# Altium PCB CtrlCarbinBoard.PcbDoc
Units mm, origin at the board's own origin, x right, y up, seen from the top; angles counter-clockwise.
Board outline 177.8 x 78.74 mm, 2 copper layers (Top Layer, Bottom Layer); 91 components, 123 nets, 518 pads, 0 vias.
Unrouted connection lines stored in the file: 258.
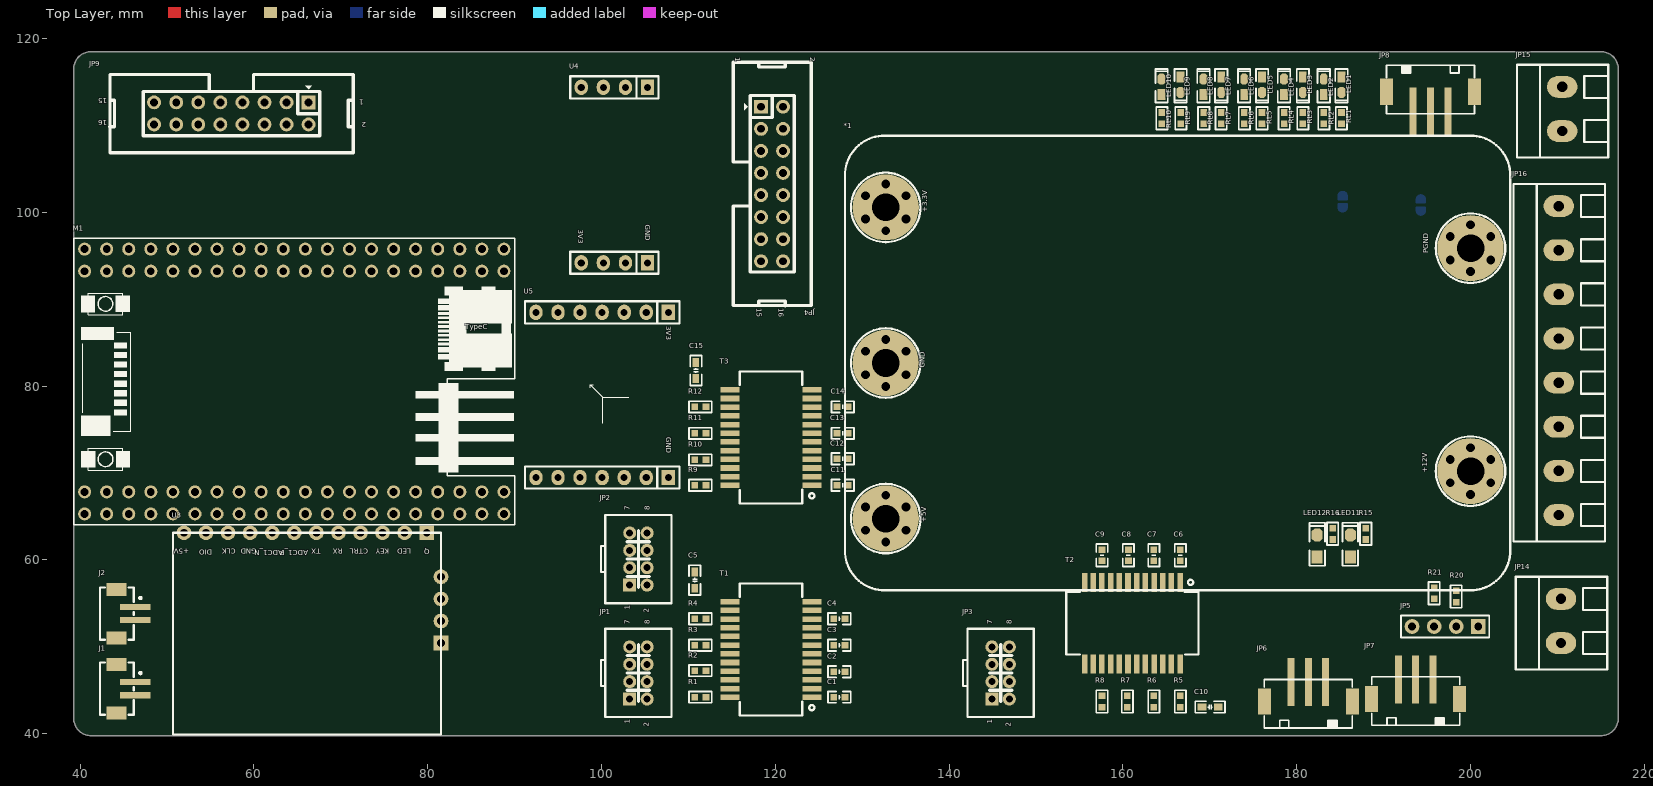
[diagram p0: Top Layer view]
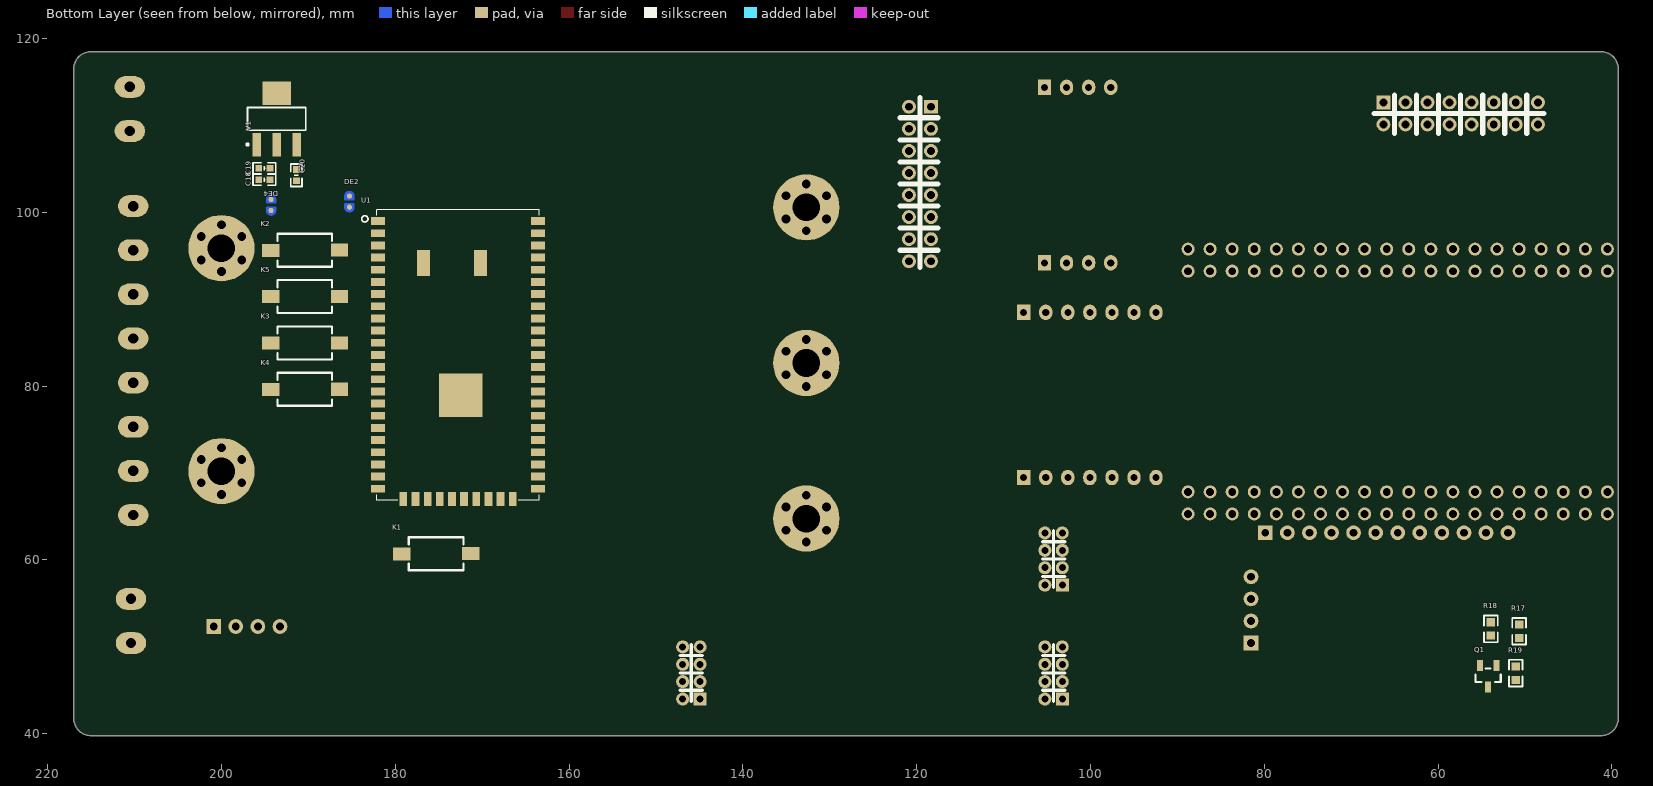
[diagram p1: Bottom Layer view, seen from below]

## Layer stack, top to bottom
Top Solder: solder mask 0.0102, Solder Resist, Dk 3.5
Top Layer: signal copper 0.0356
Dielectric 1: dielectric 0.32, FR-4, Dk 4.8
Bottom Layer: signal copper 0.0356
Bottom Solder: solder mask 0.0102, Solder Resist, Dk 3.5

## Board outline
39.243,41.783 39.243,116.459 cw(c41.275,116.459) 41.275,118.491 215.011,118.491 cw(c215.011,116.459) 217.043,116.459 217.043,41.783 cw(c215.011,41.783) 215.011,39.751 41.275,39.751 cw(c41.275,41.783)

## Design rules (kind name [scope] priority, off if disabled: settings)
Clearance [All] p1: gap=0.254 ignorepadtopadclearanceinfootprint=FALSE except(0: Arc-Hole Track-Hole SMDPad-Hole THPad-Hole Via-Hole Fill-Hole Poly-Hole Region-Hole Text-Hole)
DiffPairsRouting [All] p1: maxlimit=0.254 minlimit=0.254 mostfreqgap=0.254 toplayer_minwidth=0.381 toplayer_maxwidth=0.381 toplayer_prefwidth=0.381 bottomlayer_minwidth=0.381 bottomlayer_maxwidth=0.381 bottomlayer_prefwidth=0.381 maxuncoupledlength=12.7
PolygonConnect [All] p1: connectstyle=Relief reliefconductorwidth=0.254 reliefentries=4 polygonreliefangle="90 Angle" airgapwidth=0.254
RoutingVias [All] p1: holewidth=0.711 width=1.27 viastyle="Through Hole" minholewidth=0.711 minwidth=1.27 maxholewidth=0.711 maxwidth=1.27
SolderMaskExpansion [All] p1: expansion=0.102 istentingtop=FALSE
Width [All] p1: maxlimit=0.254 minlimit=0.254 preferedwidth=0.254
29 further rules are at their usual default settings.

## Classes and differential pairs
component class Designator: C18 C19 C20 DE2 DE4 JP5 JP6 JP7 K1 K2 K3 K4 K5 LED1 LED2 LED3 LED4 LED5 LED6 LED7 LED8 LED9 LED10 LED11 LED12 R15 R16 R20 R21 RL1 RL2 RL3 RL4 RL5 RL6 RL7 RL8 RL9 RL10 U1 V1
component class CtrlCarbinBoard_Common: *1 JP14 JP15 JP16
differential pair USB_D: +USB_D_P -USB_D_N
differential pair T3_TD4: +T3_TD4_P -T3_TD4_N
differential pair T3_TD3: +T3_TD3_P -T3_TD3_N
differential pair T3_TD2: +T3_TD2_P -T3_TD2_N
differential pair T3_TD1: +T3_TD1_P -T3_TD1_N
differential pair T3_MX4: +T3_MX4_P -T3_MX4_N
differential pair T3_MX3: +T3_MX3_P -T3_MX3_N
differential pair T3_MX2: +T3_MX2_P -T3_MX2_N
differential pair T3_MX1: +T3_MX1_P -T3_MX1_N
differential pair T2_TD2: +T2_TD2_P -T2_TD2_N
differential pair T2_TD1: +T2_TD1_P -T2_TD1_N
differential pair T2_MX2: +T2_MX2_P -T2_MX2_N
differential pair T2_MX1: +T2_MX1_P -T2_MX1_N
differential pair T1_TD4: +T1_TD4_P -T1_TD4_N
differential pair T1_TD3: +T1_TD3_P -T1_TD3_N
differential pair T1_TD2: +T1_TD2_P -T1_TD2_N
differential pair T1_TD1: +T1_TD1_P -T1_TD1_N
differential pair T1_MX4: +T1_MX4_P -T1_MX4_N
differential pair T1_MX3: +T1_MX3_P -T1_MX3_N
differential pair T1_MX2: +T1_MX2_P -T1_MX2_N
differential pair T1_MX1: +T1_MX1_P -T1_MX1_N

## Components (designator, comment, footprint, x,y, rotation, side; value= is the part's Value field where it differs from the comment)
*1 "电源模块接口-螺柱" "螺柱-座 5" 208.072,50.491 r90 top
C1 "0.1u" "C 0603_L" 127.381,44.196 r180 top
C2 "0.1u" "C 0603_L" 127.381,47.117 r180 top
C3 "0.1u" "C 0603_L" 127.381,50.165 r180 top
C4 "0.1u" "C 0603_L" 127.381,53.213 r180 top
C5 "0.01u" "C 0603_M" 110.744,57.658 r270 top
C6 "0.1u" "C 0603_L" 166.624,60.518 r270 top
C7 "0.1u" "C 0603_L" 163.576,60.518 r270 top
C8 "0.1u" "C 0603_L" 160.655,60.518 r270 top
C9 "0.1u" "C 0603_L" 157.607,60.518 r270 top
C10 "0.01u" "C 0603_M" 170.053,43.053 r180 top
C11 "0.1u" "C 0603_L" 127.762,68.58 r180 top
C12 "0.1u" "C 0603_L" 127.762,71.628 r180 top
C13 "0.1u" "C 0603_L" 127.762,74.549 r180 top
C14 "0.1u" "C 0603_L" 127.762,77.597 r180 top
C15 "0.01u" "C 0603_M" 110.871,81.788 r270 top
C18 "103" "C 0603_L" 195.088,103.758 r180 bottom
C19 "104" "C 0603_L" 195.088,105.044 r180 bottom
C20 "103" "C 0603_L" 191.389,104.267 r90 bottom
DE2 "DEBUG PAD" DEBUG_B 185.293,101.219 r90 bottom
DE4 "DEBUG PAD" DEBUG_B 194.31,100.838 r270 bottom
J1 "GH1.25" "GH1.25 2pin" 44.323,44.958 r270 top
J2 "GH1.25" "GH1.25 2pin" 44.323,53.594 r270 top
JP1 "Surface" PHB2.0-LI-2x4P 104.251,46.974 r90 top
JP2 "TX2" PHB2.0-LI-2x4P 104.251,60.087 r90 top
JP3 "Camera" PHB2.0-LI-2x4P 145.939,46.974 r90 top
JP4 "Header 8X2" IDC2.54-LI-2x8P 118.364,112.141 r270 top
JP5 "HDR-1X4" HDR2.54-LI-4P 197.104,52.324 r180 top
JP6 "HDR-1X3" PH2.0-LS-3P 181.356,43.434 r180 top
JP7 "HDR-1X3" PH2.0-LS-3P 193.707,43.736 r180 top
JP8 "HDR-1X3" PH2.0-LS-3P 195.421,114.125 r0 top
JP9 "Header 8X2" IDC2.54-LI-2x8P 66.294,112.649 r180 top
JP14 "HDR-1X2" KF128-5.08-2P 210.439,52.959 r90 top
JP15 "HDR-1X2" KF128-5.08-2P 210.566,111.887 r90 top
JP16 "HDR-1X8" KF128-5.08-8P 210.185,82.931 r90 top
K1 "KEY" SMD-3X6X2.5 179.197,60.706 r180 bottom
K2 "KEY" SMD-3X6X2.5 194.31,95.631 r180 bottom
K3 "KEY" SMD-3X6X2.5 194.31,84.963 r180 bottom
K4 "KEY" SMD-3X6X2.5 194.31,79.629 r180 bottom
K5 "KEY" SMD-3X6X2.5 194.31,90.297 r180 bottom
LED1 "红色" "LED 0603R" 185.166,114.681 r270 top
LED2 "红色" "LED 0603R" 183.134,114.427 r90 top
LED3 "红色" "LED 0603R" 180.714,114.681 r270 top
LED4 "红色" "LED 0603R" 178.562,114.427 r90 top
LED5 "红色" "LED 0603R" 176.022,114.681 r270 top
LED6 "红色" "LED 0603R" 173.97,114.427 r90 top
LED7 "红色" "LED 0603R" 171.323,114.681 r270 top
LED8 "红色" "LED 0603R" 169.291,114.427 r90 top
LED9 "红色" "LED 0603R" 166.643,114.681 r270 top
LED10 "红色" "LED 0603R" 164.472,114.427 r90 top
LED11 "红色" "LED 0805G" 186.182,61.595 r90 top
LED12 "红色" "LED 0805G" 182.372,61.595 r90 top
M1 "FK750M2-VBT6核心板" FK750M2-VBT6(精简版) 64.643,80.518 r0 top
Q1 "SS8550 Y2" SOT-23(SOT-23-3) 54.234,46.598 r90 bottom
R1 "75" "R 0603_L" 111.379,44.196 r180 top
R2 "75" "R 0603_L" 111.379,47.244 r180 top
R3 "75" "R 0603_L" 111.379,50.165 r180 top
R4 "75" "R 0603_L" 111.379,53.213 r180 top
R5 "75" "R 0603_L" 166.624,43.688 r270 top
R6 "75" "R 0603_L" 163.576,43.688 r270 top
R7 "75" "R 0603_L" 160.528,43.688 r270 top
R8 "75" "R 0603_L" 157.607,43.688 r270 top
R9 "75" "R 0603_L" 111.379,68.58 r180 top
R10 "75" "R 0603_L" 111.379,71.501 r180 top
R11 "75" "R 0603_L" 111.379,74.549 r180 top
R12 "75" "R 0603_L" 111.379,77.597 r180 top
R15 "3.3K" "R 0603_L" 187.96,62.992 r270 top
R16 "1K" "R 0603_L" 184.15,62.992 r270 top
R17 "27KΩ (2702) ±1%" 0603_R 50.678,51.772 r90 bottom
R18 "1KΩ (1001) ±1%" 0603_R 53.934,52.045 r90 bottom
R19 "1KΩ (1001) ±1%" 0603_R 51.059,46.954 r90 bottom
R20 "10Ω" "R 0603_L" 198.374,55.768 r270 top
R21 "10Ω" "R 0603_L" 195.834,56.149 r270 top
RL1 "4.7K" "R 0603_L" 185.166,110.825 r270 top
RL2 "4.7K" "R 0603_L" 183.134,110.825 r270 top
RL3 "4.7K" "R 0603_L" 180.721,110.825 r270 top
RL4 "4.7K" "R 0603_L" 178.562,110.825 r270 top
RL5 "4.7K" "R 0603_L" 176.022,110.825 r270 top
RL6 "4.7K" "R 0603_L" 173.99,110.825 r270 top
RL7 "4.7K" "R 0603_L" 171.323,110.825 r90 top
RL8 "4.7K" "R 0603_L" 169.316,110.825 r90 top
RL9 "4.7K" "R 0603_L" 166.675,110.825 r270 top
RL10 "4.7K" "R 0603_L" 164.49,110.825 r270 top
T1 "SG24002G" SG24002G 121.165,47.08 r90 top
T2 "SG24002G" SG24002G 163.703,54.363 r180 top
T3 "SG24002G" SG24002G 121.165,71.464 r90 top
U1 "HLK-7688A" 7688A 181.991,98.981 r90 bottom
U3 "WDAB" WaterDepthBoard 83.873,36.651 r90 top
U4 "GY-39" GY39 104.394,105.283 r270 top
U5 "WT931" WT931 107.696,88.478 r270 top
V1 "AMS1117-3V3" SOT223_M 193.675,110.744 r90 bottom

## Footprints (in the part's own frame and the unit in brackets; to place one, negate y for a bottom-side part, rotate by r counter-clockwise, add the part's x,y. Pads: shape width x height; smd on the part's side, far side on the other; paste and mask are expansions set on the pad)
0603_R [mm]
  rect 0.93x0.98 smd: 1(-0.77,0) 2(0.77,0)
  silkscreen extent -1.53,-0.79 1.54,0.79, body extent -0.85,-0.4 0.85,0.4, height 0.56
7688A [mm]
  rect 0.9x1.6 smd: 1(0,0) 2(-1.4,0) 3(-2.8,0) 4(-4.2,0) 5(-5.6,0) 6(-7,0) 7(-8.4,0) 8(-9.8,0) 9(-11.2,0) 10(-12.6,0) 11(-14,0) 12(-15.4,0) 13(-16.8,0) 14(-18.2,0) 15(-19.6,0) 16(-21,0) 17(-22.4,0) 18(-23.8,0) 19(-25.2,0) 20(-26.6,0) 21(-28,0) 22(-29.4,0) 23(-30.8,0) 34(-30.8,-18.4) 35(-29.4,-18.4) 36(-28,-18.4) 37(-26.6,-18.4) 38(-25.2,-18.4) 39(-23.8,-18.4) 40(-22.4,-18.4) 41(-21,-18.4) 42(-19.6,-18.4) 43(-18.2,-18.4) 44(-16.8,-18.4) 45(-15.4,-18.4) 46(-14,-18.4) 47(-12.6,-18.4) 48(-11.2,-18.4) 49(-9.8,-18.4) 50(-8.4,-18.4) 51(-7,-18.4) 52(-5.6,-18.4) 53(-4.2,-18.4) 54(-2.8,-18.4) 55(-1.4,-18.4) 56(0,-18.4)
  rect 1.6x0.9 smd: 24(-32,-2.9) 25(-32,-4.3) 26(-32,-5.7) 27(-32,-7.1) 28(-32,-8.5) 29(-32,-9.9) 30(-32,-11.3) 31(-32,-12.7) 32(-32,-14.1) 33(-32,-15.5)
  rect 3x1.5 smd: 57(-4.8,-11.8) 58(-4.8,-5.2)
  rect 5x5 smd: 59(-20.066,-9.5)
  silkscreen extent -32.13,-18.56 1.33,1.88
"C 0603_L" [mil] "无极性贴片电容"
  rect 30x30 smd: 1(-25.59,0) 2(25.59,0)
  silkscreen extent -51,-26 51,26, body extent -31,-16 31,16, height 32
"C 0603_M" [mil] "无极性贴片电容"
  rect 40x30 smd: 1(-36.5,0) 2(36.5,0)
  silkscreen extent -68,-26 68,26, body extent -31,-16 31,16, height 32
DEBUG_B [mm] "调试断点焊盘"
  round 0.6 smd paste-0.6: 1(-0.635,0) 2(0.635,0)
  Top Layer region: 0.254,-0.508 0.762,-0.508 0.908,-0.479 1.031,-0.396 1.114,-0.273 1.143,-0.127 1.143,-0.127 1.143,0 1.104,0.194 0.994,0.359 0.829,0.469 0.635,0.508 0.635,0.508 0.254,0.508
  Top Layer region: -0.254,0.508 -0.762,0.508 -0.908,0.479 -1.031,0.396 -1.114,0.273 -1.143,0.127 -1.143,0.127 -1.143,0 -1.104,-0.194 -0.994,-0.359 -0.829,-0.469 -0.635,-0.508 -0.635,-0.508 -0.254,-0.508
  Top Layer lines w0.203: -0.635,-0.508 cw(c-0.635,0) -0.635,0.508 -0.254,0.508 -0.254,-0.508 -0.635,-0.508 ; 0.254,-0.508 0.254,0.508 0.635,0.508 cw(c0.635,0) 0.635,-0.508 0.254,-0.508
FK750M2-VBT6(精简版) [mm]
  round 1.5 hole 0.9: 1(24.13,-12.7) 2(24.13,-15.24) 3(21.59,-12.7) 4(21.59,-15.24) 5(19.05,-12.7) 6(19.05,-15.24) 7(16.51,-12.7) 8(16.51,-15.24) 9(13.97,-12.7) 10(13.97,-15.24) 11(11.43,-12.7) 12(11.43,-15.24) 13(8.89,-12.7) 14(8.89,-15.24) 15(6.35,-12.7) 16(6.35,-15.24) 17(3.81,-12.7) 18(3.81,-15.24) 19(1.27,-12.7) 20(1.27,-15.24) 21(-1.27,-12.7) 22(-1.27,-15.24) 23(-3.81,-12.7) 24(-3.81,-15.24) 25(-6.35,-12.7) 26(-6.35,-15.24) 27(-8.89,-12.7) 28(-8.89,-15.24) 29(-11.43,-12.7) 30(-11.43,-15.24) 31(-13.97,-12.7) 32(-13.97,-15.24) 33(-16.51,-12.7) 34(-16.51,-15.24) 35(-19.05,-12.7) 36(-19.05,-15.24) 37(-21.59,-12.7) 38(-21.59,-15.24) 39(-24.13,-12.7) 40(-24.13,-15.24) 41(24.13,15.24) 42(24.13,12.7) 43(21.59,15.24) 44(21.59,12.7) 45(19.05,15.24) 46(19.05,12.7) 47(16.51,15.24) 48(16.51,12.7) 49(13.97,15.24) 50(13.97,12.7) 51(11.43,15.24) 52(11.43,12.7) 53(8.89,15.24) 54(8.89,12.7) 55(6.35,15.24) 56(6.35,12.7) 57(3.81,15.24) 58(3.81,12.7) 59(1.27,15.24) 60(1.27,12.7) 61(-1.27,15.24) 62(-1.27,12.7) 63(-3.81,15.24) 64(-3.81,12.7) 65(-6.35,15.24) 66(-6.35,12.7) 67(-8.89,15.24) 68(-8.89,12.7) 69(-11.43,15.24) 70(-11.43,12.7) 71(-13.97,15.24) 72(-13.97,12.7) 73(-16.51,15.24) 74(-16.51,12.7) 75(-19.05,15.24) 76(-19.05,12.7) 77(-21.59,15.24) 78(-21.59,12.7) 79(-24.13,15.24) 80(-24.13,12.7)
  silkscreen extent -25.4,-16.51 25.4,16.51, body extent -25.4,-16.51 25.4,16.51, height 8.36
"GH1.25 2pin" [mm]
  rect 0.7x3.5 smd: 1(-0.955,2.034) 2(0.545,2.034)
  rect 1.5x2.3 smd: 3(2.595,-0.116) 4(-3.005,-0.116)
  silkscreen extent -3.2,-2.05 2.8,2.74
GY39 [mil]
  rect 70x60 hole 32: 1(-357.99,35.43) 8(437.01,35.43)
  oval 70x60 hole 32: 2(-357.99,-64.57) 3(-357.99,-164.57) 4(-357.99,-264.57) 5(437.01,-264.57) 6(437.01,-164.57) 7(437.01,-64.57)
  silkscreen extent -408,-315 487,85, body extent -402,-319 491,90, height 335
HDR2.54-LI-4P [mm] "排针，4脚"
  rect 1.7x1.7 hole 0.9: 1(-3.81,0)
  round 1.7 hole 0.9: 2(-1.27,0) 3(1.27,0) 4(3.81,0)
  silkscreen extent -5.08,-1.27 5.08,1.27, body extent -5.08,-1.27 5.08,1.27, height 8.5
IDC2.54-LI-2x8P [mm] "16P简易牛角座"
  rect 1.6x1.6 hole 0.9: 1(0,0)
  round 1.6 hole 0.9: 2(0,2.54) 3(2.54,0) 4(2.54,2.54) 5(5.08,0) 6(5.08,2.54) 7(7.62,0) 8(7.62,2.54) 9(10.16,0) 10(10.16,2.54) 11(12.7,0) 12(12.7,2.54) 13(15.24,0) 14(15.24,2.54) 15(17.78,0) 16(17.78,2.54)
  silkscreen extent -5.14,-3.2 22.89,5.8, body extent -5.08,-3.08 22.86,5.77, height 9.17
KF128-5.08-2P [mm] "螺钉式接线端子，脚距5.08mm"
  oval 2.5x3.5 hole 1.2: 1(-2.54,0) 2(2.54,0)
  silkscreen extent -5.59,-5.31 5.08,5.21, body extent -5.58,-5.3 5.08,5.2, height 14.15
KF128-5.08-8P [mm] "螺钉式接线端子，脚距5.08mm"
  oval 2.5x3.5 hole 1.2: 1(-17.78,0) 2(-12.7,0) 3(-7.62,0) 4(-2.54,0) 5(2.54,0) 6(7.62,0) 7(12.7,0) 8(17.78,0)
  silkscreen extent -20.83,-5.31 20.32,5.21, body extent -20.82,-5.3 20.32,5.2, height 14.15
"LED 0603R" [mil] "红色0603LED"
  rect 50x35 smd: 1(-35,0.26)
  oct 50x35 smd: 2(35,0.26)
  silkscreen extent -71,-28 81,28, body extent -31,-16 31,16, height 18
"LED 0805G" [mil] "绿色0805LED"
  rect 60x50 smd: 1(-50,0)
  oct 60x50 smd: 2(50,0)
  silkscreen extent -90,-35 105,35, body extent -39,-25 39,25, height 26
PH2.0-LS-3P [mm] "长：10mm，宽：5.5mm，高：6.1mm"
  rect 1.5x3 smd: 0(-5.064,-0.254) 0(5.064,-0.254)
  rect 0.8x5.5 smd: 1(-2,-2.492) 2(0,-2.492) 3(2,-2.492)
  silkscreen extent -5.06,-2.79 5.06,2.79, body extent -5,-5.05 5,2.75, height 6.15
PHB2.0-LI-2x4P [mm] "长：10mm，宽：7.3mm，高：7.8mm"
  rect 1.5x1.5 hole 0.8: 1(-3,1)
  round 1.5 hole 0.8: 2(-3,-1) 3(-1,1) 4(-1,-1) 5(1,1) 6(1,-1) 7(3,1) 8(3,-1)
  silkscreen extent -5.08,-3.81 5.08,4.32, body extent -5,-3.65 5,4.25, height 7.83
"R 0603_L" [mil] "1/10W贴片电阻"
  rect 30x30 smd: 1(-25.59,0) 2(25.59,0)
  silkscreen extent -51,-26 51,26, body extent -31,-16 32,16, height 16
SG24002G [mm]
  rect 0.64x2.2 smd: 1(-2.899,-3.043) 2(-1.899,-3.043) 3(-0.899,-3.043) 4(0.101,-3.043) 5(1.101,-3.043) 6(2.101,-3.043) 7(3.101,-3.043) 8(4.101,-3.043) 9(5.101,-3.043) 10(6.101,-3.043) 11(7.101,-3.043) 12(8.101,-3.043) 13(8.101,6.357) 14(7.101,6.357) 15(6.101,6.357) 16(5.101,6.357) 17(4.101,6.357) 18(3.101,6.357) 19(2.101,6.357) 20(1.101,6.357) 21(0.101,6.357) 22(-0.899,6.357) 23(-1.899,6.357) 24(-2.899,6.357)
  silkscreen extent -5,-3.34 10.2,5.26
SMD-3X6X2.5 [mm]
  rect 2x1.5 smd: 1(-0.059,-0.02) 3(7.874,0)
  silkscreen extent 0.73,-1.9 7.03,1.9, body extent -0.19,-1.78 7.81,1.72, height 2.59
SOT223_M [mm] "SOT223, 4-Leads, Body 6.5x3.5mm, Pitch 2.3mm, Lead Span 7mm, IPC Low Density"
  rect 2.7x1 smd: 1(-2.95,2.3) 2(-2.95,0) 3(-2.95,-2.3)
  rect 2.7x3.3 smd: 4(2.95,0)
  silkscreen extent -3.07,-3.35 1.3,3.48, body extent -1.85,-3.35 1.85,3.35, height 1.7
SOT-23(SOT-23-3) [mm]
  rect 1.25x0.7 smd: 1(1.25,-0.95) 2(1.25,0.95) 3(-1.25,0)
  silkscreen extent -0.65,-1.46 0.9,1.46, body extent -1.5,-1.5 1.5,1.5, height 1.3
WaterDepthBoard [mm]
  rect 1.7x1.7 hole 0.9: 1(26.468,3.99) 13(13.768,2.339)
  round 1.7 hole 0.9: 2(26.468,6.53) 3(26.468,9.07) 4(26.468,11.61) 5(26.468,14.15) 6(26.468,16.69) 7(26.468,19.23) 8(26.468,21.77) 9(26.468,24.31) 10(26.468,26.85) 11(26.468,29.39) 12(26.468,31.93) 14(16.308,2.339) 15(18.848,2.339) 16(21.388,2.339)
  silkscreen extent 3.23,2.34 26.47,33.2
WT931 [mil]
  rect 70x60 hole 32: 1(0,0) 14(748.4,0)
  oval 70x60 hole 32: 2(0,-100) 3(0,-200) 4(0,-300) 5(0,-400) 6(0,-500) 7(0,-600) 8(748.4,-600) 9(748.4,-500) 10(748.4,-400) 11(748.4,-300) 12(748.4,-200) 13(748.4,-100)
  silkscreen extent -50,-650 798,50, body extent -49,-655 798,55, height 126
"螺柱-座 5" [mil]
  round 40 hole 40: 1(455.17,2966.81) 1(508.17,2875.01) 1(508.17,3058.61) 1(614.17,2875.01) 1(614.17,3058.61) 1(667.17,2966.81) 1(670.17,316.81) 1(723.17,225.01) 1(723.17,408.61) 1(829.17,225.01) 1(829.17,408.61) 1(882.17,316.81) 1(1160.17,2966.81) 1(1213.17,2875.01) 1(1213.17,3058.61) 1(1319.17,2875.01) 1(1319.17,3058.61) 1(1372.17,2966.81) 1(1680.17,316.81) 1(1733.17,225.01) 1(1733.17,408.61) 1(1839.17,225.01) 1(1839.17,408.61) 1(1865.17,2966.81) 1(1892.17,316.81) 1(1918.17,2875.01) 1(1918.17,3058.61) 1(2024.17,2875.01) 1(2024.17,3058.61) 1(2077.17,2966.81)
  round 300 hole 125: 1(561.17,2966.81) 2(1266.17,2966.81) 3(1971.17,2966.81) 4(1786.17,316.81) 5(776.17,316.81)
  Bottom Layer lines w7.87: 517.04,2922.68 561.17,2966.81 ; 491.44,2897.09 488.85,2894.49 ; 561.17,2966.81 561.17,2966.81
  Bottom Layer lines w39.37: 1865.17,2966.81 1865.17,2966.81
  silkscreen extent 236,137 2296,3152, body extent 455,224 2077,3059, height 553

## Part data
C1 C2 C3 C4 C5 C6 C7 C8 C9 C10 C11 C12 C13 C14 C15 C18 C19 C20: library part C, "无极性贴片电容", BOM名称=无极性贴片电容, 学习资源=www.ooocke.com, 版权归属=源创客
DE2 DE4: library part DEBUG, "调试断点焊盘", BOM名称=调试断点焊盘, 学习资源=www.ooocke.com, 版权归属=源创客
J1 J2: library part "GH1.25 2pin"
JP1 JP2 JP3: library part "Header 4X2", "4*2P接插件", BOM名称=4*2P接插件, 学习资源=www.ooocke.com, 版权归属=源创客
JP4 JP9: "8*2P接插件", BOM名称=8*2P接插件, 学习资源=www.ooocke.com, 版权归属=源创客
JP5: library part "Header 4", "4P接插件", BOM名称=4P接插件, 学习资源=www.ooocke.com, 版权归属=源创客
JP6 JP7 JP8: library part "Header 3", "3P接插件", BOM名称=3P接插件, 学习资源=www.ooocke.com, 版权归属=源创客
JP14 JP15: library part "Header 2", "2P接插件", BOM名称=2P接插件, 学习资源=www.ooocke.com, 版权归属=源创客
JP16: library part "Header 8", "8P接插件", BOM名称=8P接插件, 学习资源=www.ooocke.com, 版权归属=源创客
LED1 LED2 LED3 LED4 LED5 LED6 LED7 LED8 LED9 LED10 LED11 LED12: library part LED-SMD, "贴片LED", BOM名称=贴片LED, 学习资源=www.ooocke.com, 版权归属=源创客
M1: library part FK750M2-VBT6
Q1: library part "SOT-23 SS8550 Y2", "三极管", Package=SOT-23, SuppliersPartNumber=C8542, ComponentLink1Description=供应商链接, ComponentLink1URL=http://www.szlcsc.com/product/details_9037.html, Supplier=LC
R1 R2 R3 R4 R5 R6 R7 R8 R9 R10 R11 R12 R15 R16 R20 R21 RL1 RL2 RL3 RL4 RL5 RL6 RL7 RL8 RL9 RL10: library part R, "贴片电阻", BOM名称=贴片电阻, 学习资源=www.ooocke.com, 版权归属=源创客
R17: library part "0603 27KΩ (2702) 1%", "贴片电阻", Package=0603, SuppliersPartNumber=C22967, ComponentLink1Description=供应商链接, ComponentLink1URL=http://www.szlcsc.com/product/details_23694.html, Supplier=LC
R18 R19: library part "0603 1KΩ (1001) 1%", "贴片电阻", Package=0603, SuppliersPartNumber=C21190, ComponentLink1Description=供应商链接, ComponentLink1URL=http://www.szlcsc.com/product/details_21904.html, Supplier=LC
U3: library part WaterDepthBoard
U4: library part GY39, "GY39温湿度大气压光照传感器"
U5: "维特智能WT931九轴模块"
V1: library part AMS1117, "三端稳压芯片", BOM名称=稳压芯片, 学习资源=www.ooocke.com, 版权归属=源创客

## Nets (pads, with @x,y where several pads share a name; then routed paths per layer and width w, separated by ;. In a path a pad name is that pad's centre, name@x,y a point inside that pad or via, vN(x,y) a via of type N, cw(c..) or ccw(c..) an arc to the next point about the centre after c; other vN are vias at no path point)
3V3: *1.3 DE2.2 JP4.4 JP4.14 JP9.3 JP9.4 Q1.2 R17.2 U4.5 U5.1
+3.3E: DE2.1 DE4.2 LED1.1 LED3.1 LED5.1 LED7.1 LED9.1 LED11.1 LED12.1 U1.2 U1.3
+5: *1.1 C20.2 JP5.1 JP9.1 JP9.2 JP15.1 M1.42 U3.12 V1.3
+12: JP14.1 JP16.1 JP16.3 JP16.5 JP16.7
GND: *1.2 C1.1 C2.1 C3.1 C4.1 C5.1 C6.1 C7.1 C8.1 C9.1 C10.1 C11.1 C12.1 C13.1 C14.1 C15.1 C18.1 C19.1 C20.1 J1.2 J2.2 JP4.2 JP4.16 JP5.4 JP6.3 JP7.3 JP8.3 JP9.13 JP9.14 JP15.2 K1.1 K2.1 K3.1 K4.1 K5.1 LED2.2 LED4.2 LED6.2 LED8.2 LED10.2 M1.1 M1.2 R15.2 R19.1 U1.1 U1.4 U1.21 U1.23 U1.56 U1.57 U1.58 U1.59 U3.9 U4.8 U5.14 V1.1
GPIO0: K1.3 U1.30
Link0: RL1.2 RL2.2 U1.13
Link1: RL3.2 RL4.2 U1.12
Link2: RL5.2 RL6.2 U1.11
Link3: RL7.2 RL8.2 U1.10
Link4: RL9.2 RL10.2 U1.9
NetC1_2: C1.2 T1.1
NetC2_2: C2.2 T1.4
NetC3_2: C3.2 T1.7
NetC4_2: C4.2 T1.10
NetC5_2: C5.2 R1.2 R2.2 R3.2 R4.2
NetC6_2: C6.2 T2.1
NetC7_2: C7.2 T2.4
NetC8_2: C8.2 T2.7
NetC9_2: C9.2 T2.10
NetC10_2: C10.2 R5.2 R6.2 R7.2 R8.2
NetC11_2: C11.2 T3.1
NetC12_2: C12.2 T3.4
NetC13_2: C13.2 T3.7
NetC14_2: C14.2 T3.10
NetC15_2: C15.2 R9.2 R10.2 R11.2 R12.2
NetC18_2: C18.2 C19.2 DE4.1 V1.2
NetJ1_1: J1.1 J2.1 R18.1
NetJP5_2: JP5.2 R20.2
NetJP5_3: JP5.3 R21.2
NetJP8_1: JP8.1 M1.34
NetJP8_2: JP8.2 M1.31
NetLED1_2: LED1.2 RL1.1
NetLED2_1: LED2.1 RL2.1
NetLED3_2: LED3.2 RL3.1
NetLED4_1: LED4.1 RL4.1
NetLED5_2: LED5.2 RL5.1
NetLED6_1: LED6.1 RL6.1
NetLED7_2: LED7.2 RL7.1
NetLED8_1: LED8.1 RL8.1
NetLED9_2: LED9.2 RL9.1
NetLED10_1: LED10.1 RL10.1
NetLED11_2: LED11.2 R15.1
NetLED12_2: LED12.2 R16.1
NetQ1_1: Q1.1 R17.1 R18.2
NetR1_1: R1.1 T1.24
NetR2_1: R2.1 T1.21
NetR3_1: R3.1 T1.18
NetR4_1: R4.1 T1.15
NetR5_1: R5.1 T2.24
NetR6_1: R6.1 T2.21
NetR7_1: R7.1 T2.18
NetR8_1: R8.1 T2.15
NetR9_1: R9.1 T3.24
NetR10_1: R10.1 T3.21
NetR11_1: R11.1 T3.18
NetR12_1: R12.1 T3.15
PGND: *1.4 JP9.15 JP9.16 JP14.2 JP16.2 JP16.4 JP16.6 JP16.8
PORST_RST: K4.3 U1.14
REF_CLK: K2.3 U1.6
RERST: K5.3 U1.7
RX0: JP7.1 U1.32
RX1: JP6.1 M1.47 U1.16
T1_MX1_N: JP1.3 T1.22
T1_MX1_P: JP1.1 T1.23
T1_MX2_N: JP1.7 T1.19
T1_MX2_P: JP1.5 T1.20
T1_MX3_N: JP2.3 T1.16
T1_MX3_P: JP2.1 T1.17
T1_MX4_N: JP2.7 T1.13
T1_MX4_P: JP2.5 T1.14
T1_TD1_N: T1.3 U1.41
T1_TD1_P: T1.2 U1.40
T1_TD2_N: T1.6 U1.39
T1_TD2_P: T1.5 U1.38
T1_TD3_N: T1.9 U1.43
T1_TD3_P: T1.8 U1.42
T1_TD4_N: T1.12 U1.45
T1_TD4_P: T1.11 U1.44
T2_MX1_N: JP3.3 T2.22
T2_MX1_P: JP3.1 T2.23
T2_MX2_N: JP3.7 T2.19
T2_MX2_P: JP3.5 T2.20
T2_TD1_N: T2.3 U1.35
T2_TD1_P: T2.2 U1.34
T2_TD2_N: T2.6 U1.37
T2_TD2_P: T2.5 U1.36
T3_MX1_N: JP4.3 T3.22
T3_MX1_P: JP4.1 T3.23
T3_MX2_N: JP4.7 T3.19
T3_MX2_P: JP4.5 T3.20
T3_MX3_N: JP4.11 T3.16
T3_MX3_P: JP4.9 T3.17
T3_MX4_N: JP4.15 T3.13
T3_MX4_P: JP4.13 T3.14
T3_TD1_N: T3.3 U1.49
T3_TD1_P: T3.2 U1.48
T3_TD2_N: T3.6 U1.47
T3_TD2_P: T3.5 U1.46
T3_TD3_N: T3.9 U1.51
T3_TD3_P: T3.8 U1.50
T3_TD4_N: T3.12 U1.53
T3_TD4_P: T3.11 U1.52
TX0: JP7.2 U1.31
TX1: JP6.2 M1.73 U1.15
UART1_RX: JP9.7 M1.45
UART1_TX: JP9.8 M1.46
UART3_RX: M1.11 U5.8
UART3_TX: M1.12 U5.9
UART4_RX: M1.33 U3.6
UART4_TX: M1.36 U3.5
UART5_RX: M1.8 U4.6
UART5_TX: M1.10 U4.7
UART7_RX: JP9.11 M1.21
UART7_TX: JP9.12 M1.22
UART8_RX: JP9.9 M1.67
UART8_TX: JP9.10 M1.68
USB_D_N: JP9.5 R21.1 U1.55
USB_D_P: JP9.6 R20.1 U1.54
WaterDetect: M1.74 Q1.3 R19.2 U3.1
WDRST: M1.71 U3.4
WDT_RST: K3.3 U1.8
WIFI_LED: R16.2 U1.33
pads on no net: *1.5 J1.3 J1.4 J2.3 J2.4 JP1.2 JP1.4 JP1.6 JP1.8 JP2.2 JP2.4 JP2.6 JP2.8 JP3.2 JP3.4 JP3.6 JP3.8 JP4.6 JP4.8 JP4.10 JP4.12 JP6.0 JP7.0 JP8.0 M1.3 M1.4 M1.5 M1.6 M1.7 M1.9 M1.13 M1.14 M1.15 M1.16 M1.17 M1.18 M1.19 M1.20 M1.23 M1.24 M1.25 M1.26 M1.27 M1.28 M1.29 M1.30 M1.32 M1.35 M1.37 M1.38 M1.39 M1.40 M1.41 M1.43 M1.44 M1.48 M1.49 M1.50 M1.51 M1.52 M1.53 M1.54 M1.55 M1.56 M1.57 M1.58 M1.59 M1.60 M1.61 M1.62 M1.63 M1.64 M1.65 M1.66 M1.69 M1.70 M1.72 M1.75 M1.76 M1.77 M1.78 M1.79 M1.80 T2.8 T2.9 T2.11 T2.12 T2.13 T2.14 T2.16 T2.17 U1.5 U1.17 U1.18 U1.19 U1.20 U1.22 U1.24 U1.25 U1.26 U1.27 U1.28 U1.29 U3.2 U3.3 U3.7 U3.8 U3.10 U3.11 U3.13 U3.14 U3.15 U3.16 U4.1 U4.2 U4.3 U4.4 U5.2 U5.3 U5.4 U5.5 U5.6 U5.7 U5.10 U5.11 U5.12 U5.13 V1.4

## Silkscreen, mask and mechanical layers (free items; w line width, h text height)
Mechanical 1:
  the board outline again, w0.254

## Text inside footprints (layer, text, board x,y; h text height)
*1: Top Overlay "PGND" at 195.372,95.301 h1 r90; Top Overlay "+12V" at 195.245,70.028 h1 r90; Top Overlay "+3.3V" at 137.714,100 h1 r90; Top Overlay "GND" at 137.46,82.093 h1 r90; Top Overlay "+5V" at 137.587,64.313 h1 r90
JP1: Top Overlay "8" at 105.775,52.562 h1 r90; Top Overlay "7" at 103.489,52.562 h1 r90; Top Overlay "1" at 103.489,41.132 h1 r90; Top Overlay "2" at 105.648,40.767 h1 r90
JP2: Top Overlay "8" at 105.775,65.675 h1 r90; Top Overlay "7" at 103.489,65.675 h1 r90; Top Overlay "1" at 103.489,54.245 h1 r90; Top Overlay "2" at 105.648,53.88 h1 r90
JP3: Top Overlay "8" at 147.463,52.562 h1 r90; Top Overlay "7" at 145.177,52.562 h1 r90; Top Overlay "1" at 145.177,41.132 h1 r90; Top Overlay "2" at 147.336,40.767 h1 r90
JP4: Top Overlay "2" at 123.825,117.856 h1 r270; Top Overlay "1" at 115.189,117.856 h1 r270; Top Overlay "16" at 120.193,88.976 h1 r270; Top Overlay "15" at 117.653,88.976 h1 r270
JP9: Top Overlay "2" at 72.898,110.617 h1 r180; Top Overlay "1" at 72.644,113.157 h1 r180; Top Overlay "16" at 43.129,110.82 h1 r180; Top Overlay "15" at 43.129,113.36 h1 r180
M1: Top Overlay "TypeC" at 84.341,86.327 h1
U3: Top Overlay "+5V" at 52.562,61.494 h1 r180; Top Overlay "DIO" at 55.229,61.367 h1 r180; Top Overlay "CLK" at 57.896,61.494 h1 r180; Top Overlay "GND" at 60.309,61.494 h1 r180; Top Overlay "ADC1_N" at 63.357,61.327 h1 r180; Top Overlay "ADC1_P" at 66.278,61.327 h1 r180; Top Overlay "TX" at 67.675,61.505 h1 r180; Top Overlay "RX" at 70.215,61.505 h1 r180; Top Overlay "CTRL" at 73.136,61.494 h1 r180; Top Overlay "KEY" at 75.549,61.505 h1 r180; Top Overlay "LED" at 78.089,61.505 h1 r180; Top Overlay "Q" at 80.248,61.455 h1 r180
U4: Top Overlay "GND" at 104.805,98.583 h1 r270; Top Overlay "3V3" at 97.105,97.983 h1 r270
U5: Top Overlay "GND" at 107.207,74.078 h1 r270; Top Overlay "3V3" at 107.224,86.878 h1 r270